# Allegro board meta_module_lay_rev1.brd (continued)
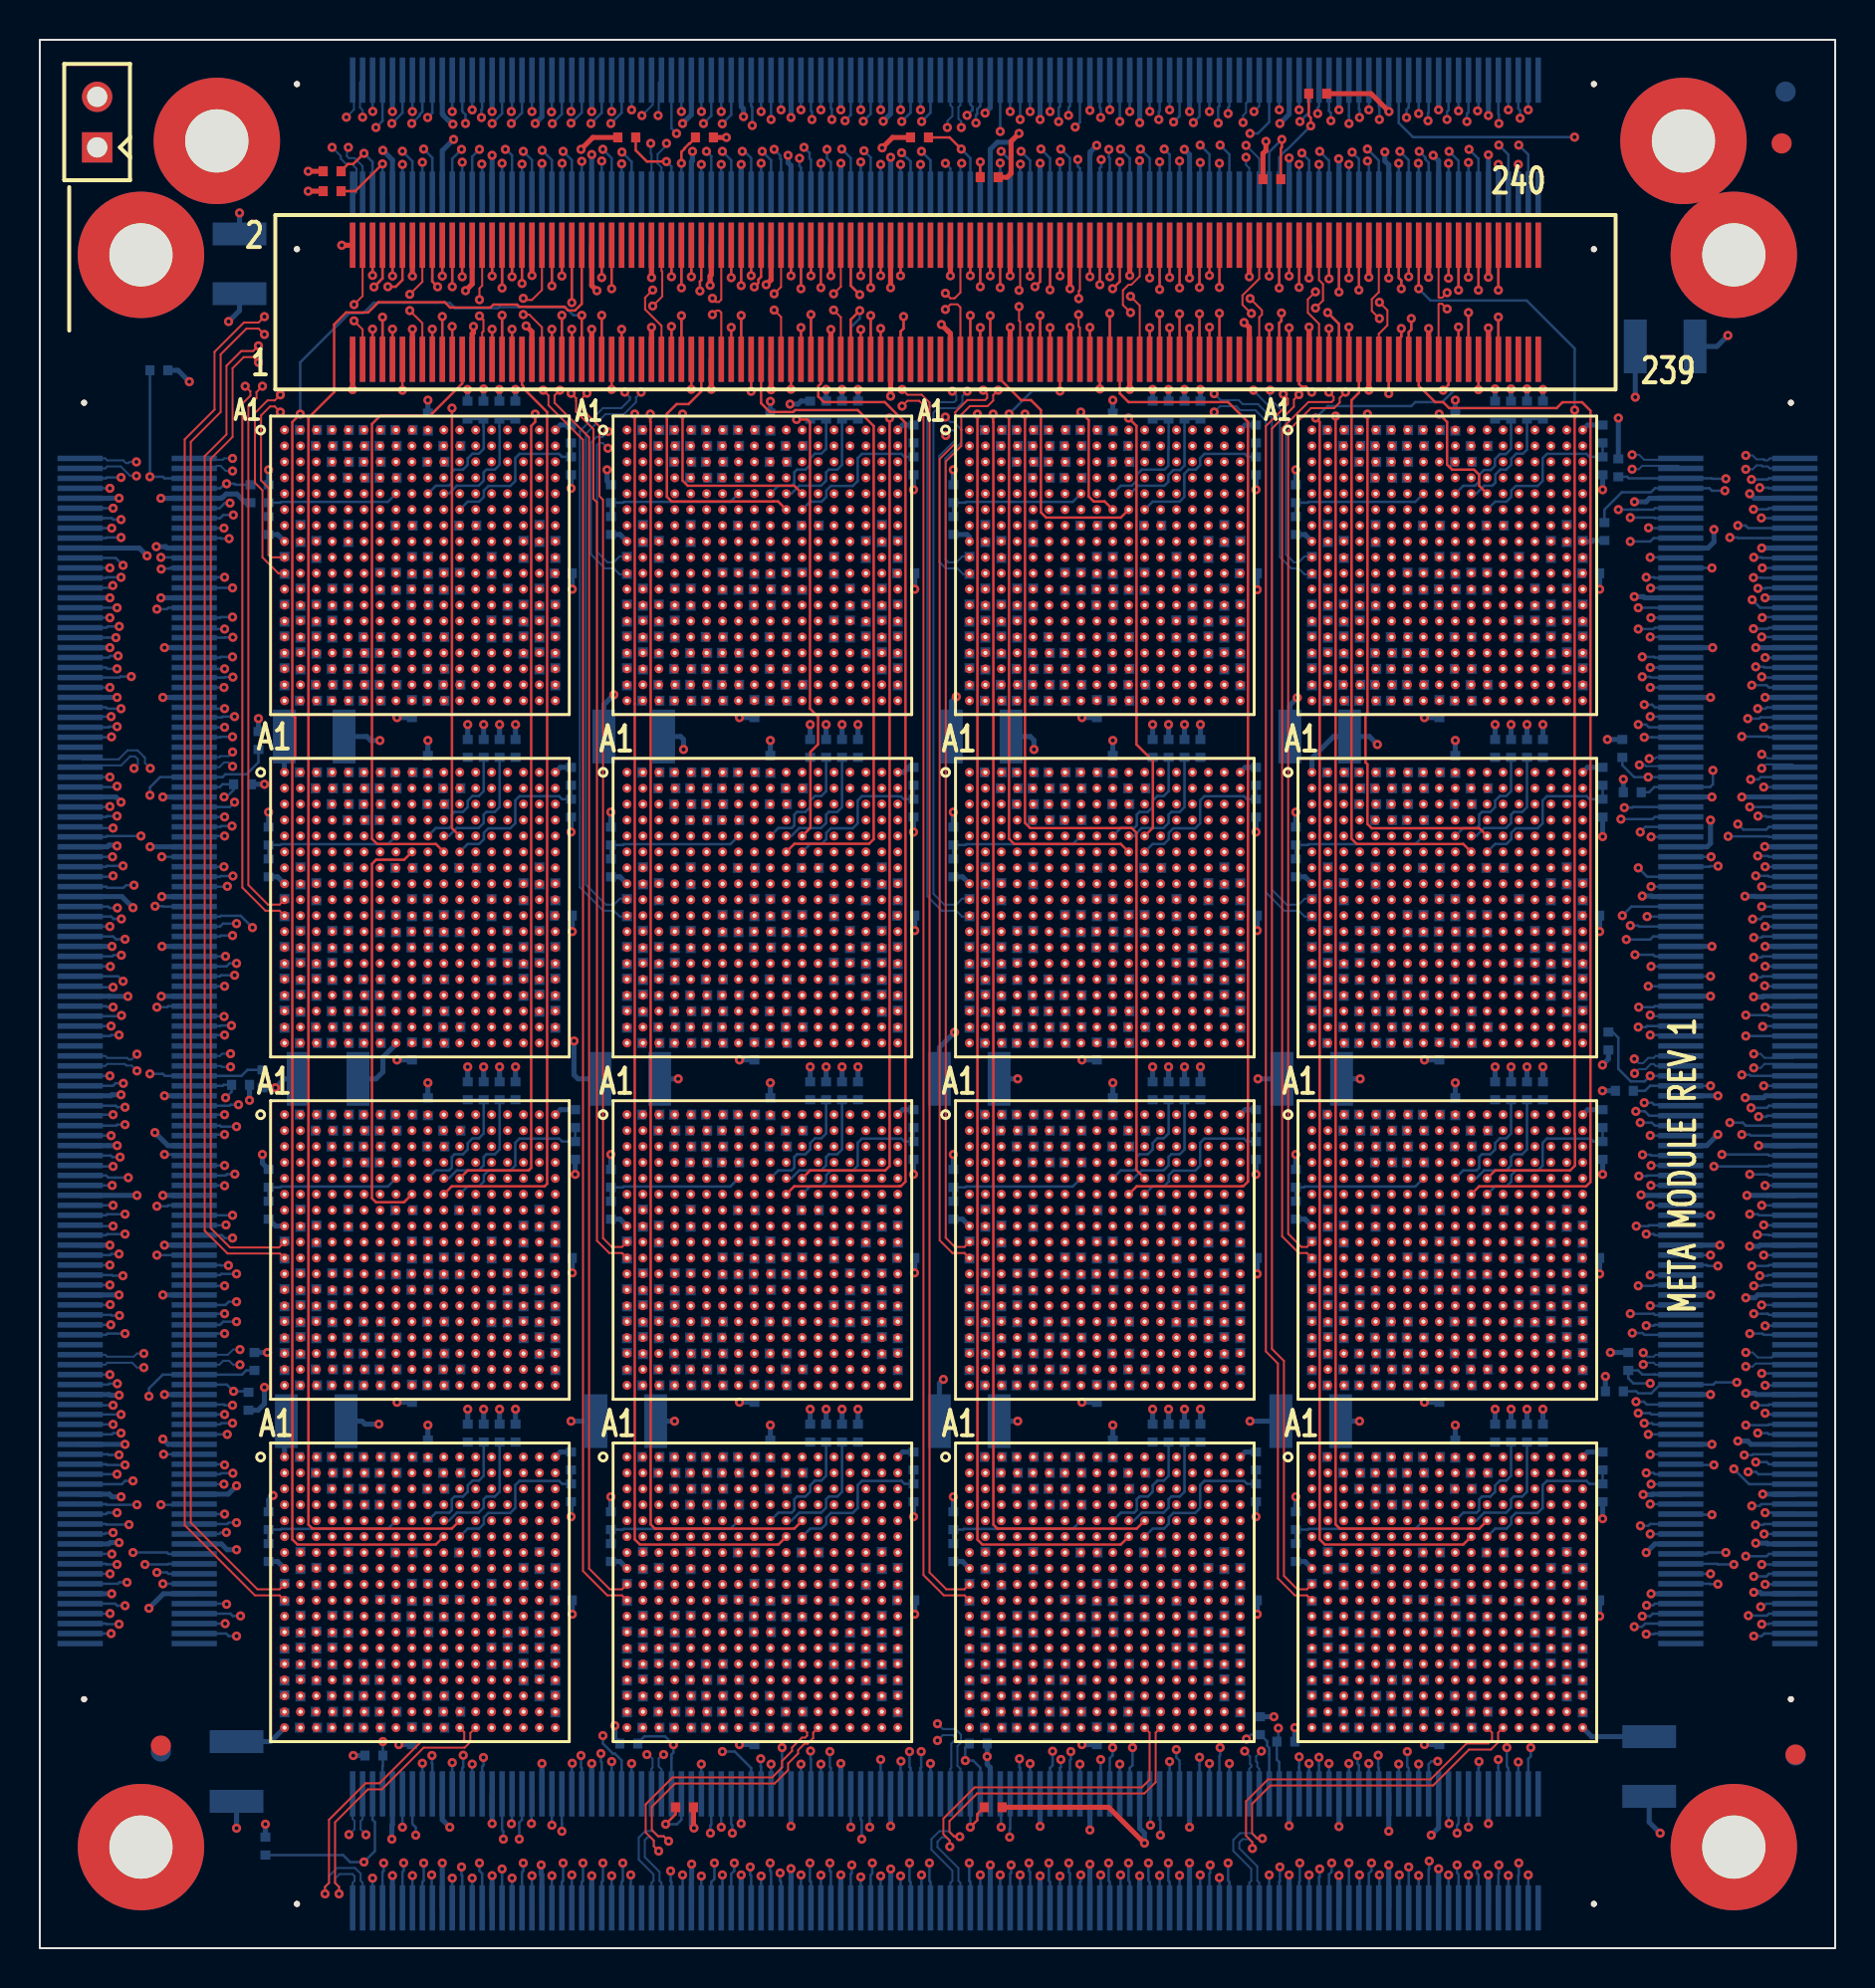
[diagram p0: board, top side]
## Routing (per net, layer and track width the routed paths; a pad name or vN(x,y) marks a point on that pad's centre or on a via; arc(x,y) is an arc through that point) (continued)
  BOTTOM w0.127: v1(41.23,84.03) J18.138
PC48: length 4.4
  TOP w0.127: J16.105 v1(41.73,82.03)
  BOTTOM w0.127: v1(41.73,82.03) J18.135
PC49: length 4.3
  TOP w0.127: v1(41.73,83.43) J16.106
  BOTTOM w0.127: v1(41.73,83.43) J18.136
PC50: length 4.4
  TOP w0.127: 43.23,79.83 43.23,81.23 43.38,81.38 v1(43.38,81.98)
  BOTTOM w0.127: J18.129 43.23,81.23 43.38,81.38 v1(43.38,81.98)
PC51: length 3.1
  TOP w0.127: 43.23,85.56 v1(43.23,84.03)
  BOTTOM w0.127: v1(43.23,84.03) J18.130
PC52: length 4.4
  TOP w0.127: J16.125 v1(46.73,82.03)
  BOTTOM w0.127: J18.115 v1(46.73,82.03)
PC53: length 3.1
  TOP w0.127: v1(46.73,84.03) J16.126
  BOTTOM w0.127: v1(46.73,84.03) J18.116
PC54: length 3.2
  TOP w0.127: v1(47.23,81.43) J16.127
  BOTTOM w0.127: v1(47.23,81.43) J18.113
PC55: length 4.2
  TOP w0.127: J16.128 v1(47.23,83.48)
  BOTTOM w0.127: v1(47.23,83.48) J18.114
PC56: length 4.4
  TOP w0.127: J16.129 v1(47.73,82.02)
  BOTTOM w0.127: J18.111 47.73,79.84 v1(47.73,82.02)
PC57: length 3.1
  TOP w0.127: v1(47.73,84.02) J16.130
  BOTTOM w0.127: J18.112 47.73,84.03 v1(47.73,84.02)
PC58: length 3.2
  TOP w0.127: J16.137 v1(49.74,81.44)
  BOTTOM w0.127: v1(49.74,81.44) J18.103
PC59: length 3.1
  TOP w0.127: v1(49.73,84.01) 49.73,85.56 J16.138
  BOTTOM w0.127: J18.104 49.73,85.56 v1(49.73,84.01)
PC60: length 4.4
  TOP w0.127: J16.139 v1(50.24,82.04)
  BOTTOM w0.127: J18.101 50.24,79.84 v1(50.24,82.04)
PC61: length 4.4
  TOP w0.127: J16.140 50.24,83.74 v1(49.98,83.48)
  BOTTOM w0.127: v1(49.98,83.48) 50.24,83.74 50.24,84.26 50.24,84.26 J18.102
PC62: length 3.2
  TOP w0.127: J16.141 v1(50.74,81.42)
  BOTTOM w0.127: v1(50.74,81.42) J18.99
PC63: length 4.5
  TOP w0.127: J16.142 v1(50.74,83.32)
  BOTTOM w0.127: v1(50.74,83.32) J18.100
PC64: length 3.2
  TOP w0.127: J16.149 v1(52.74,81.44)
  BOTTOM w0.127: v1(52.74,81.44) 52.74,79.84 J18.91
PC65: length 3.2
  TOP w0.127: J16.150 v1(52.74,83.98)
  BOTTOM w0.127: v1(52.74,83.98) 52.74,85.56 J18.92
PC66: length 3
  TOP w0.127: v1(53.24,78.34) J16.151
  BOTTOM w0.127: J18.89 v1(53.24,78.34)
PC67: length 4
  TOP w0.127: J16.152 v1(53.24,83.58)
  BOTTOM w0.127: J18.90 v1(53.24,83.58)
PC68: length 4.6
  TOP w0.127: v1(53.74,82.14) J16.153
  BOTTOM w0.127: v1(53.74,82.14) J18.87
PC69: length 3.2
  TOP w0.127: v1(53.74,83.98) J16.154
  BOTTOM w0.127: v1(53.74,83.98) J18.88
PC70: length 3.2
  TOP w0.127: v1(55.74,81.42) J16.161
  BOTTOM w0.127: v1(55.74,81.42) J18.79
PC71: length 3.3
  TOP w0.127: J16.162 v1(55.74,83.92)
  BOTTOM w0.127: v1(55.74,83.92) J18.80
PC72: length 4.6
  TOP w0.127: v1(56.24,82.12) J16.163
  BOTTOM w0.127: J18.77 56.24,79.84 v1(56.24,82.12)
PC73: length 4.4
  TOP w0.127: v1(56.24,83.34) J16.164
  BOTTOM w0.127: J18.78 56.24,85.56 v1(56.24,83.34)
PC74: length 3.2
  TOP w0.127: J16.165 v1(56.74,81.42)
  BOTTOM w0.127: v1(56.74,81.42) J18.75
PC75: length 3.2
  TOP w0.127: J16.166 v1(56.74,83.94)
  BOTTOM w0.127: v1(56.74,83.94) J18.76
PC76: length 4.6
  TOP w0.127: J16.171 v1(58.24,82.12)
  BOTTOM w0.127: v1(58.24,82.12) J18.69
PC77: length 4.2
  TOP w0.127: J16.172 v1(58.24,83.44)
  BOTTOM w0.127: v1(58.24,83.44) J18.70
PC78: length 3.2
  TOP w0.127: J16.185 v1(61.75,81.45)
  BOTTOM w0.127: v1(61.75,81.45) J18.55
PC79: length 3.1
  TOP w0.127: J16.186 v1(61.75,84.01)
  BOTTOM w0.127: v1(61.75,84.01) J18.56
PC80: length 4.7
  TOP w0.127: v1(62.36,82.16) 62.36,81.76 62.25,81.65 J16.187
  BOTTOM w0.127: v1(62.36,82.16) 62.36,81.76 62.25,81.65 J18.53
PC81: length 4.3
  TOP w0.127: v1(62.25,83.41) J16.188
  BOTTOM w0.127: v1(62.25,83.41) J18.54
PC82: length 3.2
  TOP w0.127: J16.189 v1(62.75,81.41)
  BOTTOM w0.127: J18.51 v1(62.75,81.41)
PC83: length 3.1
  TOP w0.127: J16.190 v1(62.75,84.01)
  BOTTOM w0.127: J18.52 v1(62.75,84.01)
PC84: length 3.1
  TOP w0.127: v1(64.75,81.38) J16.197
  BOTTOM w0.127: v1(64.75,81.38) J18.43
PC85: length 3.4
  TOP w0.127: v1(64.75,83.88) J16.198
  BOTTOM w0.127: v1(64.75,83.88) J18.44
PC86: length 5.2
  TOP w0.127: J16.199 65.25,81.61 v1(64.68,82.18)
  BOTTOM w0.127: v1(64.68,82.18) 65.25,81.61 J18.41
PC87: length 4.7
  TOP w0.127: J16.200 v1(65.25,83.21)
  BOTTOM w0.127: J18.42 v1(65.25,83.21)
PC88: length 3.2
  TOP w0.127: J16.201 v1(65.75,81.45)
  BOTTOM w0.127: v1(65.75,81.45) J18.39
PC89: length 3.3
  TOP w0.127: v1(65.75,83.91) J16.202
  BOTTOM w0.127: v1(65.75,83.91) J18.40
PC90: length 3.4
  TOP w0.127: J16.209 v1(67.75,78.11)
  BOTTOM w0.127: J18.31 v1(67.75,78.11)
PC91: length 3.3
  TOP w0.127: J16.210 v1(67.75,83.91)
  BOTTOM w0.127: J18.32 v1(67.75,83.91)
PC92: length 3.2
  TOP w0.127: J16.211 68.25,80.85 68.38,80.98 v1(68.38,81.38)
  BOTTOM w0.127: v1(68.38,81.38) 68.38,80.98 68.25,80.85 J18.29
PC93: length 4.5
  TOP w0.127: v1(68.38,83.38) 68.38,83.79 68.25,83.92 J16.212
  BOTTOM w0.127: v1(68.38,83.38) 68.38,83.79 68.25,83.92 J18.30
PC94: length 4.2
  TOP w0.127: J16.213 68.75,81.19 68.88,81.32 v1(68.88,81.88)
  BOTTOM w0.127: J18.27 68.75,81.19 68.88,81.32 v1(68.88,81.88)
PC95: length 3.2
  TOP w0.127: J16.214 v1(68.75,83.98)
  BOTTOM w0.127: v1(68.75,83.98) J18.28
PC96: length 3.3
  TOP w0.127: v1(70.48,78.28) 70.75,78.55 J16.221
  BOTTOM w0.127: v1(70.48,78.28) 70.75,78.55 J16.221 J18.19
PC97: length 3.3
  TOP w0.127: J16.222 v1(70.75,83.91)
  BOTTOM w0.127: v1(70.75,83.91) J18.20
PC98: length 3.2
  TOP w0.127: v1(71.25,81.45) J16.223
  BOTTOM w0.127: v1(71.25,81.45) 71.25,79.84 J18.17
PC99: length 4.5
  TOP w0.127: v1(71.25,83.31) J16.224
  BOTTOM w0.127: J18.18 71.25,85.56 v1(71.25,83.31)
PC100: length 4.7
  TOP w0.127: J16.225 v1(71.75,82.18)
  BOTTOM w0.127: J18.15 v1(71.75,82.18)
PC101: length 3.2
  TOP w0.127: J16.226 v1(71.75,83.95)
  BOTTOM w0.127: J18.16 v1(71.75,83.95)
PC102: length 4.2
  TOP w0.127: J16.231 v1(73.25,81.95)
  BOTTOM w0.127: v1(73.25,81.95) J18.9
PC103: length 4.5
  TOP w0.127: J16.232 v1(73.25,83.31)
  BOTTOM w0.127: J18.10 v1(73.25,83.31)
Q0_VDD: length 21.3
  BOTTOM w0.254: v1(20.75,91.65) 20.57,91.82 20.52,91.82 20.26,92.09 20.26,92.13 20.21,92.18 J1.222 ; v1(35.34,92.03) 35.34,92.03 35.34,92.42 35.23,92.53 J1.162 ; v1(5.39,69.96) 5,70.35 J6.20 ; C2.1 v1(10.03,87.19) ; J6.80 3.39,55.34 3.48,55.42 3.84,55.42 v1(3.88,55.38) ; C1.1 16.42,60.88 16.62,60.68 v1(17.08,60.68) ; J1.221 20.21,90.31 v1(20.78,90.88) ; J1.161 v1(35.23,89.62) ; J6.19 6.39,70.35 6.32,70.42 v1(5.85,70.42) ; J6.79 v1(5.54,55.34)
Q0_VDDIO: length 44
  TOP w0.254: v1(13.48,89.28) R1033.2 ; R1034.2 27.78,90.98 v1(27.18,90.38)
  BOTTOM w0.254: R107.2 v1(38.69,61.48) ; v1(21.48,78.32) R164.2 ; J6.99 v1(6.13,50.33) ; R108.2 v1(40.29,61.48) ; R951.2 v1(43.94,68.28) ; R1017.2 6.94,79.28 v1(7.51,78.71) ; J6.100 v1(3.63,50.33) ; R221.2 v1(21.49,61.48) ; R954.1 v1(19.49,60.68) ; v1(37.68,77.58) 38.08,77.58 38.23,77.73 R50.2 ; v1(26.83,45.58) 26.83,43.88 27.03,43.68 C9.1 ; J1.141 40.23,89.68 v1(40.23,89.68) ; R53.2 v1(43.88,73.28) ; v1(23.08,78.32) R165.2 ; R1018.2 v1(10.98,61.78) ; R223.2 v1(11.49,57.08) ; J6.39 v1(6.26,65.34) ; R52.2 28.49,73.72 v1(28.49,74.28) ; v1(24.88,91.68) 25.22,92.02 J1.202 ; R166.2 v1(11.49,74.28) ; J1.142 v1(40.23,92.37) ; R946.1 v1(19.49,77.78) ; v1(28.83,62.98) 28.33,62.48 C10.1 ; R222.2 v1(23.09,61.48) ; R110.2 v1(43.88,56.08) ; R224.2 v1(26.68,56.08) ; R916.1 v1(35.14,61.83) ; R950.1 v1(36.69,77.72) ; R947.2 v1(26.74,68.28) ; v1(26.68,73.35) R167.2 ; R918.1 v1(17.94,44.63) ; J6.40 v1(3.52,65.34) ; R955.2 v1(26.74,51.08) ; v1(25.22,89.67) J1.201 ; R51.2 v1(40.29,78.32) ; R959.2 v1(43.94,51.13) ; R920.1 v1(35.14,44.63) ; R958.1 v1(36.69,60.68) ; R109.2 v1(28.68,57.08) ; R914.1 v1(17.94,61.83)
Q1_VDD: length 19.3
  BOTTOM w0.254: v1(83.91,56.68) 83.91,55.51 83.74,55.34 J3.161 ; v1(50.24,91.88) J1.102 ; C3.1 62.78,62.46 v1(63.15,62.83) ; v1(84.08,71.28) 84.08,70.65 83.78,70.35 J3.221 ; J3.162 86.64,55.34 v1(86.63,55.35) ; J1.42 v1(65.25,92.37) ; J1.101 50.24,89.68 v1(50.24,89.68) ; C4.1 45.78,62.63 v1(46.03,62.88) ; v1(65.23,89.91) 65.25,89.89 J1.41 ; v1(86.48,70.35) J3.222
Q1_VDDIO: length 45.5
  TOP w0.254: R1035.2 42.83,90.98 v1(42.3,90.46) ; R1036.2 61.43,90.17 61.58,90.32 v1(61.58,90.78)
  BOTTOM w0.254: v1(71.09,77.78) 71.09,77.78 R966.1 ; J1.22 v1(70.25,92.37) ; R975.2 v1(78.34,51.08) ; v1(73.09,78.34) R278.2 ; R449.2 v1(55.89,61.48) ; C11.1 45.18,45.26 v1(45.94,46.02) ; R337.2 v1(63.08,57.08) ; R338.2 v1(78.49,55.85) ; v1(78.34,68.28) R967.2 ; R450.2 v1(57.49,61.48) ; R451.2 v1(45.88,57.08) ; R1026.2 v1(78.73,60.73) ; v1(55.23,89.81) 55.23,88.14 J1.81 ; J3.201 v1(84.02,65.34) ; R279.2 v1(74.69,78.34) ; v1(69.98,90.08) 70.25,89.81 J1.21 ; J3.142 v1(86.65,50.33) ; C12.1 84.23,80.48 v1(84.78,81.03) ; R963.2 v1(61.14,68.26) ; R280.2 v1(63.08,74.28) ; R394.2 v1(45.88,74.28) ; R962.1 v1(53.89,77.78) ; R393.2 v1(57.49,78.32) ; R922.1 v1(52.34,61.83) ; J1.82 v1(55.24,91.72) ; J3.202 v1(86.18,65.34) ; R974.1 v1(71.09,60.68) ; J3.141 v1(83.98,50.33) ; R452.2 v1(61.08,56.08) ; R392.2 v1(55.89,78.32) ; R336.2 v1(74.69,61.48) ; R926.1 v1(52.34,44.63) ; R1025.2 v1(79.28,76.88) ; R970.1 v1(53.89,60.68) ; R335.2 v1(73.09,61.48) ; v1(61.08,73.28) R395.2 ; R924.1 v1(69.54,61.83) ; R281.2 v1(78.49,73.28) ; R928.1 v1(69.54,44.63) ; R971.2 v1(61.14,51.13)
Q2_VDD: length 18.3
  BOTTOM w0.254: J6.199 6.45,25.31 v1(6.18,25.58) ; C5.1 v1(9.88,6.03) ; C6.1 16.18,26.48 16.33,26.33 v1(17.03,26.33) ; J5.20 v1(20.21,4.28) ; v1(5.78,40.98) 6.43,40.33 J6.139 ; J6.200 v1(4.28,25.31) ; J5.79 v1(35.23,6.26) ; J5.19 20.21,6.45 v1(20.59,6.08) ; v1(35.23,3.68) J5.80 ; J6.140 3.43,40.33 v1(3.89,40.33)
Q2_VDDIO: length 40.7
  BOTTOM w0.254: R563.2 v1(38.69,27.08) ; v1(11.71,22.75) 11.49,22.52 R679.2 ; R991.2 v1(43.94,16.78) ; R566.2 v1(43.88,21.68) ; R986.1 v1(19.49,26.28) ; J6.219 9.12,20.31 9.41,20.02 v1(9.88,20.02) ; J5.39 v1(25.22,9.28) ; R978.1 v1(19.49,43.48) ; R990.1 v1(36.69,26.28) ; C14.1 v1(26.68,26.48) ; v1(43.93,33.93) 43.94,33.94 R983.2 ; R930.1 v1(17.94,27.43) ; J5.99 v1(40.23,9.28) ; R508.2 v1(28.68,39.88) ; R623.2 v1(26.89,38.88) ; R934.1 v1(18.03,10.23) ; v1(11.33,6.23) R1009.2 ; R565.2 v1(28.68,22.68) ; R506.2 v1(38.69,44.28) ; R1020.2 v1(11.43,29.93) ; J6.220 3.46,20.31 3.52,20.38 v1(3.98,20.38) ; J6.159 v1(6.26,35.32) ; R987.2 v1(26.74,16.78) ; v1(3.52,35.32) J6.160 ; R509.2 v1(43.88,38.88) ; J5.40 25.22,3.68 25.18,3.72 v1(25.18,4.18) ; R507.2 v1(40.29,44.28) ; R677.2 v1(21.49,27.08) ; v1(28.88,11.18) 28.88,10.53 R1010.2 ; R678.2 v1(23.09,27.08) ; R564.2 v1(40.29,27.08) ; R621.2 v1(23.09,44.28) ; R622.2 11.18,39.44 v1(11.18,39.88) ; C13.1 12.28,43.68 v1(11.83,43.23) R1019.2 ; J5.100 v1(40.23,3.68) ; R979.2 v1(26.74,33.93) ; R982.1 v1(36.69,43.48) ; R932.1 v1(35.14,27.43) ; R620.2 v1(21.49,44.28) ; R936.1 v1(35.14,10.23) ; R680.2 v1(26.68,21.68)
Q3_VDD: length 18.2
  BOTTOM w0.254: J3.101 83.72,40.33 v1(84.27,40.88) ; C7.1 v1(61.18,43.68) ; J3.41 v1(83.98,25.31) ; C8.1 80.83,6.33 v1(81.38,5.78) ; v1(85.28,25.48) 85.78,25.48 85.94,25.31 J3.42 ; J5.139 v1(50.24,6.12) ; J5.199 v1(65.25,6.11) ; J3.102 v1(86.33,40.33) ; J5.200 v1(65.25,3.65) ; J5.140 v1(50.24,3.64)
Q3_VDDIO: length 51.8
  TOP w0.254: R1011.2 53.68,7.08 v1(55.48,5.28)
  BOTTOM w0.254: v1(78.34,16.68) R1007.2 ; R734.2 v1(73.09,44.28) ; C16.1 45.18,28.38 v1(45.38,28.58) ; R994.1 v1(53.89,43.48) ; R851.2 v1(61.08,38.88) ; R791.2 v1(73.09,27.08) ; R1028.2 v1(78.88,29.93) ; R942.1 v1(52.34,10.23) ; R793.2 v1(63.08,22.68) ; R907.2 v1(45.88,22.68) ; J3.82 86.39,35.32 86.33,35.27 v1(85.88,35.27) ; J5.159 55.24,6.02 55.48,5.78 v1(55.48,5.28) ; v1(78.49,21.58) R794.2 ; R735.2 v1(74.69,44.28) ; J5.220 70.25,3.53 70.25,3.53 v1(70.25,3.99) ; C15.1 v1(60.78,26.48) ; R1027.2 78.78,44.67 v1(78.48,44.38) ; R998.1 v1(71.09,43.48) ; J3.81 v1(84.38,35.32) ; R1002.1 v1(53.89,26.28) ; R1003.2 v1(61.14,16.78) ; J5.160 v1(55.24,3.64) ; R736.2 v1(63.08,39.88) ; v1(78.49,38.88) R737.2 ; v1(80.68,19.88) 81.11,20.31 J3.21 ; R906.2 v1(57.49,27.08) ; R908.2 v1(61.08,21.68) ; R905.2 v1(55.89,27.08) ; R848.2 v1(55.89,44.28) ; J5.219 70.25,6.05 v1(69.88,5.68) ; R1006.1 v1(71.09,26.28) ; R940.1 v1(69.54,27.43) ; v1(61.14,33.88) R995.2 ; R938.1 v1(52.34,27.43) ; R849.2 v1(57.49,44.28) ; v1(78.34,33.88) R999.2 ; v1(86.18,20.35) 86.74,20.35 86.78,20.31 J3.22 ; R1012.2 v1(61.98,11.63) ; R850.2 v1(45.88,39.88) ; R792.2 v1(74.69,27.08) ; R944.1 v1(69.54,10.23)
RESETB0: length 9.5
  TOP w0.127: v1(18.21,78.28) J16.11
  SIGNAL_L9 w0.083: v1(18.21,78.28) 17.48,77.55 17.48,75.37 17.81,75.05 18.04,75.05 18.28,74.81 18.28,74.48 18.51,74.25 18.84,74.25 19.12,73.96 19.12,73.73 19.41,73.45 19.64,73.45 19.86,73.23 19.86,72.71 U3.F11
RESETB1: length 14.2
  TOP w0.127: U1.F11 37.08,72.69 36.85,72.69 31.73,72.69 31.49,72.93 31.49,77.09 31.98,77.58 32.58,77.58 33.22,78.22 J16.71
RESETB2: length 31.3
  TOP w0.127: J16.23 21.22,78.62 19.58,76.98 17.08,76.98 16.68,76.58 16.68,55.74 16.94,55.48 19.89,55.48 U4.F11
RESETB3: length 33.8
  TOP w0.127: U2.F11 37.9,55.49 41.65,55.49 41.88,55.72 41.88,76.48 41.08,77.28 37.94,77.28 37.84,77.19 36.67,77.19 36.23,77.63 J16.83
RESETB4: length 13.5
  TOP w0.127: U7.F11 54.29,71.88 50.54,71.88 50.28,72.14 50.28,77.28 49.78,77.78 49.28,77.78 48.24,78.83 J16.131
RESETB5: length 13.7
  TOP w0.127: v1(63.88,78.18) 63.6,78.46 63.37,78.46 63.25,78.59 J16.191
  SIGNAL_L12 w0.083: U5.F11 71.46,72.71 71.46,73.23 71.17,73.51 67.74,73.51 67.46,73.8 67.46,74.03 67.18,74.31 66.94,74.31 66.72,74.53 66.72,74.76 66.38,75.11 66.14,75.11 65.92,75.33 65.92,75.56 65.57,75.91 65.34,75.91 65.08,76.17 65.08,76.41 64.48,77.01 64.48,77.38 64.14,77.72 64.14,77.92 v1(63.88,78.18)
RESETB6: length 32.3
  TOP w0.127: J16.143 v1(51.24,78.24) ; v1(48.68,77.08) 48.68,55.74 48.94,55.48 54.29,55.48 U8.F11
  BOTTOM w0.127: v1(48.68,77.08) 49.84,78.24 v1(51.24,78.24)
RESETB7: length 30.5
  TOP w0.127: J16.203 66.25,78.15 65.88,77.78 65.88,55.74 66.14,55.48 71.49,55.48 U6.F11
RESETB8: length 47.4
  TOP w0.127: J16.35 24.22,78.55 24.28,78.48 24.28,78.38 25.48,77.18 25.48,38.41 25.35,38.28 20.69,38.28 U11.F11
RESETB9: length 51.2
  TOP w0.127: J16.95 39.23,78.61 39.1,78.48 39.1,77.96 39.38,77.68 42.44,77.68 43.48,76.64 43.48,38.52 43.25,38.29 43.18,38.29 43.17,38.28 37.89,38.28 U9.F11
RESETB10: length 85.2
  TOP w0.127: v1(13.08,77.08) 12.68,76.68 12.68,61.98 12.82,61.84 12.82,59.82 12.68,59.68 12.68,20.54 12.94,20.28 19.89,20.28 U12.F11 ; J16.47 v1(27.22,82.04)
  BOTTOM w0.127: v1(27.22,82.04) 26.8,82.04 26.38,82.46 24.46,82.46 24.44,82.47 24.12,82.47 24.1,82.46 23.07,82.46 23.02,82.4 20.86,82.4 20.59,82.67 16.77,82.67 16.26,82.16 15.56,82.16 13.08,79.68 v1(13.08,77.08)
RESETB11: length 80.1
  TOP w0.127: v1(29.88,77.08) 29.88,62.52 29.88,62.52 29.88,20.54 30.14,20.28 37.09,20.28 U10.F11 ; 42.23,79.83 v1(42.23,81.38)
  SIGNAL_L3 w0.083: v1(42.23,81.38) 40.53,79.68 32.48,79.68 v1(29.88,77.08)
RESETB12: length 53.2
  TOP w0.127: J16.155 54.24,78.12 54.68,77.68 59.68,77.68 60.68,76.68 60.68,38.52 60.45,38.29 60.38,38.29 60.37,38.28 55.09,38.28 U15.F11
RESETB13: length 55.7
  TOP w0.127: U13.F11 72.29,38.28 77.66,38.28 77.88,38.5 77.88,77.25 77.46,77.67 76.47,77.67 76.18,77.38 70.78,77.38 70.48,77.68 70.08,77.68 69.25,78.51 69.25,79.83
RESETB14: length 79.8
  TOP w0.127: v1(47.09,77.08) 47.09,20.53 47.34,20.28 54.29,20.28 U16.F11 ; J16.167 v1(57.24,82.12)
  SIGNAL_L3 w0.083: v1(47.09,77.08) 47.49,76.68 50.38,76.68 53.18,79.48 55.48,79.48 57.24,81.24 v1(57.24,82.12)
RESETB15: length 74.6
  TOP w0.127: J16.227 v1(72.25,78.31) ; v1(64.08,76.88) 64.28,76.68 64.28,20.54 64.54,20.28 71.49,20.28 U14.F11
  BOTTOM w0.127: v1(64.08,76.88) 64.68,77.48 68.88,77.48 69.08,77.68 70.44,77.68 70.87,78.12 70.87,78.12 71.06,78.31 v1(72.25,78.31)
ROWID0_SNOW4-1_TILE-1: length 8.4
  BOTTOM w0.127: U2.F12 38.69,55.48 39.26,55.48 39.5,55.72 39.5,56.04 39.73,56.27 40.83,56.27 41.08,56.52 41.08,57.67 41.29,57.88 43.08,57.88 43.09,57.87 43.25,57.87 43.39,57.73 R110.1 R114.2
ROWID0_SNOW4-1_TILE-2: length 8.4
  BOTTOM w0.127: R57.2 R53.1 43.43,74.93 43.28,75.08 41.29,75.08 41.08,74.87 41.08,73.72 40.83,73.47 39.73,73.47 39.5,73.24 39.5,72.92 39.26,72.68 38.69,72.68 U1.F12
ROWID0_SNOW4-1_TILE-3: length 8.4
  BOTTOM w0.127: U3.F12 21.49,72.68 22.06,72.68 22.3,72.92 22.3,73.24 22.53,73.47 23.63,73.47 23.88,73.72 23.88,74.87 24.09,75.08 26.08,75.08 26.23,74.93 R167.1 R171.2
ROWID0_SNOW4-1_TILE-4: length 8.4
  BOTTOM w0.127: R228.2 R224.1 26.23,57.73 26.08,57.88 24.09,57.88 23.88,57.67 23.88,56.52 23.63,56.27 22.53,56.27 22.3,56.04 22.3,55.72 22.06,55.48 21.49,55.48 U4.F12
ROWID0_SNOW4-2_TILE-1: length 8.6
  BOTTOM w0.127: U6.F12 73.09,55.48 73.66,55.48 73.9,55.72 73.9,56.04 74.13,56.27 75.23,56.27 75.48,56.52 75.48,57.67 75.69,57.88 77.68,57.88 77.83,57.73 R338.1 R342.2
ROWID0_SNOW4-2_TILE-2: length 8.6
  BOTTOM w0.127: U5.F12 73.09,72.68 73.66,72.68 73.9,72.92 73.9,73.24 74.13,73.47 75.23,73.47 75.48,73.72 75.48,74.87 75.69,75.08 77.68,75.08 77.83,74.93 R281.1 R285.2
ROWID0_SNOW4-2_TILE-3: length 8.4
  BOTTOM w0.127: U7.F12 55.89,72.68 57.24,72.68 57.48,72.92 57.48,74.08 57.69,74.29 58.05,74.29 58.28,74.52 58.28,74.87 58.49,75.08 60.52,75.08 60.67,74.93 R395.1 R399.2
ROWID0_SNOW4-2_TILE-4: length 8.4
  BOTTOM w0.127: U8.F12 55.89,55.48 56.46,55.48 56.7,55.72 56.7,56.04 56.93,56.27 58.03,56.27 58.28,56.52 58.28,57.67 58.49,57.88 60.48,57.88 60.63,57.73 R452.1 R456.2
ROWID0_SNOW4-3_TILE-1: length 8.4
  BOTTOM w0.127: R570.2 R566.1 43.43,23.33 43.28,23.48 41.29,23.48 41.08,23.27 41.08,22.12 40.83,21.87 39.73,21.87 39.5,21.64 39.5,21.32 39.26,21.08 38.69,21.08 U10.F12
ROWID0_SNOW4-3_TILE-2: length 8.4
  BOTTOM w0.127: R513.2 R509.1 43.43,40.53 43.28,40.68 41.29,40.68 41.08,40.47 41.08,39.32 40.83,39.07 39.73,39.07 39.5,38.84 39.5,38.52 39.26,38.28 38.69,38.28 U9.F12
ROWID0_SNOW4-3_TILE-3: length 8.6
  BOTTOM w0.127: R627.2 R623.1 26.23,40.53 26.08,40.68 24.09,40.68 23.88,40.47 23.88,39.32 23.63,39.07 22.53,39.07 22.3,38.84 22.3,38.52 22.06,38.28 21.49,38.28 U11.F12
ROWID0_SNOW4-3_TILE-4: length 8.4
  BOTTOM w0.127: R684.2 R680.1 26.23,23.33 26.08,23.48 24.09,23.48 23.88,23.27 23.88,22.12 23.63,21.87 22.53,21.87 22.3,21.64 22.3,21.32 22.06,21.08 21.49,21.08 U12.F12
ROWID0_SNOW4-4_TILE-1: length 8.6
  BOTTOM w0.127: U14.F12 73.09,21.08 73.66,21.08 73.9,21.32 73.9,21.64 74.13,21.87 75.23,21.87 75.48,22.12 75.48,23.27 75.69,23.48 77.68,23.48 77.83,23.33 R794.1 R798.2
ROWID0_SNOW4-4_TILE-2: length 8.6
  BOTTOM w0.127: R741.2 R737.1 78.03,40.53 77.88,40.68 75.69,40.68 75.48,40.47 75.48,39.32 75.23,39.07 74.13,39.07 73.9,38.84 73.9,38.52 73.66,38.28 73.09,38.28 U13.F12
ROWID0_SNOW4-4_TILE-3: length 8.4
  BOTTOM w0.127: R855.2 R851.1 60.63,40.53 60.48,40.68 58.49,40.68 58.28,40.47 58.28,39.32 58.03,39.07 56.93,39.07 56.7,38.84 56.7,38.52 56.46,38.28 55.89,38.28 U15.F12
ROWID0_SNOW4-4_TILE-4: length 8.4
  BOTTOM w0.127: U16.F12 55.89,21.08 56.46,21.08 56.7,21.32 56.7,21.64 56.93,21.87 58.03,21.87 58.28,22.12 58.28,23.27 58.49,23.48 60.48,23.48 60.63,23.33 R908.1 R912.2
ROWID1_SNOW4-1_TILE-1: length 7.3
  BOTTOM w0.127: U2.E8 34.68,55.47 29.33,55.47 29.29,55.43 R109.1 R113.2
ROWID1_SNOW4-1_TILE-2: length 7.3
  BOTTOM w0.127: R56.2 R52.1 29.29,72.63 29.33,72.67 34.68,72.67 U1.E8
ROWID1_SNOW4-1_TILE-3: length 7.3
  BOTTOM w0.127: R170.2 R166.1 12.09,72.63 12.13,72.67 17.48,72.67 U3.E8
ROWID1_SNOW4-1_TILE-4: length 7.3
  BOTTOM w0.127: U4.E8 17.48,55.47 12.13,55.47 12.09,55.43 R223.1 R227.2
ROWID1_SNOW4-2_TILE-1: length 7.3
  BOTTOM w0.127: R341.2 R337.1 63.69,55.43 63.73,55.47 69.08,55.47 U6.E8
ROWID1_SNOW4-2_TILE-2: length 7.3
  BOTTOM w0.127: R284.2 R280.1 63.69,72.63 63.73,72.67 69.08,72.67 U5.E8
ROWID1_SNOW4-2_TILE-3: length 7.3
  BOTTOM w0.127: R398.2 R394.1 46.49,72.63 46.53,72.67 51.88,72.67 U7.E8
ROWID1_SNOW4-2_TILE-4: length 7.3
  BOTTOM w0.127: U8.E8 51.88,55.47 46.53,55.47 46.49,55.43 R451.1 R455.2
ROWID1_SNOW4-3_TILE-1: length 7.3
  BOTTOM w0.127: U10.E8 34.68,21.07 29.33,21.07 29.29,21.03 R565.1 R569.2
ROWID1_SNOW4-3_TILE-2: length 7.3
  BOTTOM w0.127: R512.2 R508.1 29.29,38.23 29.33,38.27 34.68,38.27 U9.E8
ROWID1_SNOW4-3_TILE-3: length 7.3
  BOTTOM w0.127: R626.2 R622.1 12.09,38.23 12.13,38.27 17.48,38.27 U11.E8
ROWID1_SNOW4-3_TILE-4: length 7.3
  BOTTOM w0.127: R683.2 R679.1 12.09,21.03 12.13,21.07 17.48,21.07 U12.E8
ROWID1_SNOW4-4_TILE-1: length 7.3
  BOTTOM w0.127: U14.E8 69.08,21.07 63.73,21.07 63.69,21.03 R793.1 R797.2
ROWID1_SNOW4-4_TILE-2: length 7.3
  BOTTOM w0.127: R740.2 R736.1 63.49,38.23 63.53,38.27 69.08,38.27 U13.E8
ROWID1_SNOW4-4_TILE-3: length 7.3
  BOTTOM w0.127: U15.E8 51.88,38.27 46.53,38.27 46.49,38.23 R850.1 R854.2
ROWID1_SNOW4-4_TILE-4: length 7.3
  BOTTOM w0.127: U16.E8 51.88,21.07 46.42,21.07 46.38,21.03 R907.1 R911.2
ROWID2: length 343.9
  TOP w0.127: U7.F10 53.48,72.69 52.93,72.69 52.68,72.94 52.68,76.78 v1(52.28,77.18) ; J16.173 v1(58.74,81.44)
  SIGNAL_L3 w0.083: v1(58.74,81.44) 56.38,79.08 54.58,79.08 52.68,77.18 v1(52.28,77.18)
  SIGNAL_L5 w0.083: U12.F10 19.06,21.11 19.06,21.73 18.88,21.91 18.54,21.91 18.32,22.13 18.32,22.44 18.08,22.68 17.68,22.68 17.48,22.88 17.48,23.28 17.25,23.51 16.14,23.51 15.88,23.77 15.88,25.08 13.48,27.48 13.08,27.48 12.68,27.88 12.68,28.39 13,28.71 13.24,28.71 13.52,28.99 13.52,29.23 13.8,29.51 14.04,29.51 14.26,29.73 14.26,30.06 14.51,30.31 14.84,30.31 15.06,30.53 15.06,30.79 15.38,31.11 15.64,31.11 15.88,31.35 15.88,31.68 16.11,31.91 16.44,31.91 16.66,32.13 16.66,36.37 16.97,36.68 18.99,36.68 19.08,36.77 19.08,37.47 U11.F10 19.06,38.31 19.06,38.93 18.88,39.11 18.54,39.11 18.32,39.33 18.32,39.64 18.08,39.88 17.68,39.88 17.48,40.08 17.48,40.41 17.21,40.68 16.17,40.68 15.88,40.97 15.88,42.08 13.28,44.68 13.08,44.68 12.68,45.08 12.68,45.59 13,45.91 13.24,45.91 13.52,46.19 13.52,46.43 13.8,46.71 14.04,46.71 14.26,46.93 14.26,47.26 14.51,47.51 14.84,47.51 15.06,47.73 15.06,48.06 15.31,48.31 15.64,48.31 15.88,48.55 15.88,48.88 16.11,49.11 16.44,49.11 16.66,49.33 16.66,53.57 16.97,53.88 18.99,53.88 19.08,53.97 19.08,54.67 U4.F10 19.06,55.51 19.06,56.13 18.88,56.31 18.54,56.31 18.32,56.53 18.32,56.84 18.08,57.08 17.68,57.08 17.48,57.28 17.48,57.61 17.21,57.88 16.17,57.88 15.88,58.17 15.88,59.68 13.48,62.08 13.08,62.08 12.68,62.48 12.68,62.79 13,63.11 13.24,63.11 13.52,63.39 13.52,63.63 13.8,63.91 14.04,63.91 14.26,64.13 14.26,64.46 14.51,64.71 14.84,64.71 15.06,64.93 15.06,65.26 15.31,65.51 15.64,65.51 15.88,65.75 15.88,66.08 16.11,66.31 16.44,66.31 16.66,66.53 16.66,70.77 16.97,71.08 18.88,71.08 19.08,71.28 19.08,71.87 U3.F10
  SIGNAL_L10 w0.083: U11.F10 19.89,37.48 22.88,37.48 23.08,37.68 23.08,38.08 23.28,38.28 23.68,38.28 23.88,38.48 23.88,38.88 24.08,39.08 26.28,39.08 26.48,38.88 26.48,38.48 26.68,38.28 32.01,38.28 32.28,38.01 32.28,37.68 32.48,37.48 32.88,37.48 33.06,37.3 33.06,36.9 33.28,36.68 36.01,36.68 36.28,36.95 36.28,37.47 U9.F10 37.09,37.48 40.08,37.48 40.28,37.68 40.28,38.08 40.48,38.28 40.88,38.28 41.08,38.48 41.08,38.88 41.28,39.08 43.21,39.08 43.46,38.83 43.46,38.7 43.88,38.28 49.21,38.28 49.48,38.01 49.48,37.68 49.68,37.48 50.08,37.48 50.26,37.3 50.26,36.9 50.48,36.68 53.21,36.68 53.48,36.95 53.48,37.47 U15.F10 54.29,37.48 57.28,37.48 57.48,37.68 57.48,38.08 57.68,38.28 58.08,38.28 58.28,38.48 58.28,38.88 58.48,39.08 60.41,39.08 60.66,38.83 60.66,38.7 61.08,38.28 66.41,38.28 66.68,38.01 66.68,37.68 66.88,37.48 67.28,37.48 67.46,37.3 67.46,36.9 67.68,36.68 70.41,36.68 70.68,36.95 70.68,37.47 U13.F10 ; U14.F10 70.68,20.27 70.68,19.75 70.41,19.48 67.68,19.48 67.46,19.7 67.46,20.1 67.28,20.28 66.88,20.28 66.68,20.48 66.68,20.81 66.41,21.08 61.08,21.08 60.71,21.45 60.71,21.65 60.48,21.88 58.48,21.88 58.28,21.68 58.28,21.28 58.08,21.08 57.68,21.08 57.48,20.88 57.48,20.48 57.28,20.28 54.29,20.28 U16.F10 53.48,20.27 53.48,19.75 53.21,19.48 50.48,19.48 50.26,19.7 50.26,20.1 50.08,20.28 49.68,20.28 49.48,20.48 49.48,20.81 49.21,21.08 43.88,21.08 43.46,21.5 43.46,21.63 43.24,21.85 43.23,21.85 43.2,21.88 41.28,21.88 41.08,21.68 41.08,21.28 40.88,21.08 40.48,21.08 40.28,20.88 40.28,20.48 40.08,20.28 37.09,20.28 U10.F10 36.28,20.27 36.28,19.75 36.01,19.48 33.28,19.48 33.06,19.7 33.06,20.1 32.88,20.28 32.48,20.28 32.28,20.48 32.28,20.81 32.01,21.08 26.68,21.08 26.26,21.5 26.26,21.63 26.01,21.88 24.08,21.88 23.88,21.68 23.88,21.28 23.68,21.08 23.28,21.08 23.08,20.88 23.08,20.48 22.88,20.28 19.89,20.28 U12.F10 ; U4.F10 19.89,54.68 22.88,54.68 23.08,54.88 23.08,55.28 23.28,55.48 23.68,55.48 23.88,55.68 23.88,56.08 24.08,56.28 26,56.28 26.03,56.25 26.04,56.25 26.26,56.03 26.26,55.9 26.68,55.48 32.01,55.48 32.28,55.21 32.28,54.88 32.48,54.68 32.88,54.68 33.06,54.5 33.06,54.1 33.28,53.88 36.01,53.88 36.28,54.15 36.28,54.67 U2.F10 37.09,54.68 40.08,54.68 40.28,54.88 40.28,55.28 40.48,55.48 40.88,55.48 41.08,55.68 41.08,56.08 41.28,56.28 43.2,56.28 43.23,56.25 43.24,56.25 43.46,56.03 43.46,55.9 43.88,55.48 49.21,55.48 49.48,55.21 49.48,54.88 49.68,54.68 50.08,54.68 50.26,54.5 50.26,54.1 50.48,53.88 53.21,53.88 53.48,54.15 53.48,54.67 U8.F10 54.29,54.68 57.28,54.68 57.48,54.88 57.48,55.28 57.68,55.48 58.08,55.48 58.28,55.68 58.28,56.08 58.48,56.28 60.41,56.28 60.66,56.03 60.66,55.9 61.08,55.48 66.41,55.48 66.68,55.21 66.68,54.88 66.88,54.68 67.28,54.68 67.46,54.5 67.46,54.1 67.68,53.88 70.41,53.88 70.68,54.15 70.68,54.67 U6.F10 ; U5.F10 70.68,71.87 70.68,71.35 70.41,71.08 67.68,71.08 67.46,71.3 67.46,71.7 67.28,71.88 66.88,71.88 66.68,72.08 66.68,72.41 66.41,72.68 61.08,72.68 60.66,73.1 60.66,73.23 60.41,73.48 58.48,73.48 58.28,73.28 58.28,72.88 58.08,72.68 57.68,72.68 57.48,72.48 57.48,72.08 57.28,71.88 54.29,71.88 U7.F10 53.48,71.87 53.48,71.35 53.21,71.08 50.48,71.08 50.26,71.3 50.26,71.7 50.08,71.88 49.68,71.88 49.48,72.08 49.48,72.41 49.21,72.68 43.88,72.68 43.46,73.1 43.46,73.23 43.21,73.48 41.28,73.48 41.08,73.28 41.08,72.88 40.88,72.68 40.48,72.68 40.28,72.48 40.28,72.08 40.08,71.88 37.09,71.88 U1.F10 36.28,71.87 36.28,71.35 36.01,71.08 33.28,71.08 33.06,71.3 33.06,71.7 32.88,71.88 32.48,71.88 32.28,72.08 32.28,72.41 32.01,72.68 26.68,72.68 26.28,73.08 26.28,73.22 26.02,73.48 24.08,73.48 23.88,73.28 23.88,72.88 23.68,72.68 23.28,72.68 23.08,72.48 23.08,72.08 22.88,71.88 19.89,71.88 U3.F10
